# Altium PCB TRACKER.PcbDoc (part 1 of 2)
Units mil, origin at the board's own origin, x right, y up, seen from the top; angles counter-clockwise.
Board outline 4032.95 x 2360 mil, 2 copper layers (Top Layer, Bottom Layer), stack 64.173 mil thick; 101 components, 78 nets, 318 pads, 691 vias.
Unrouted connection lines stored in the file: 12.
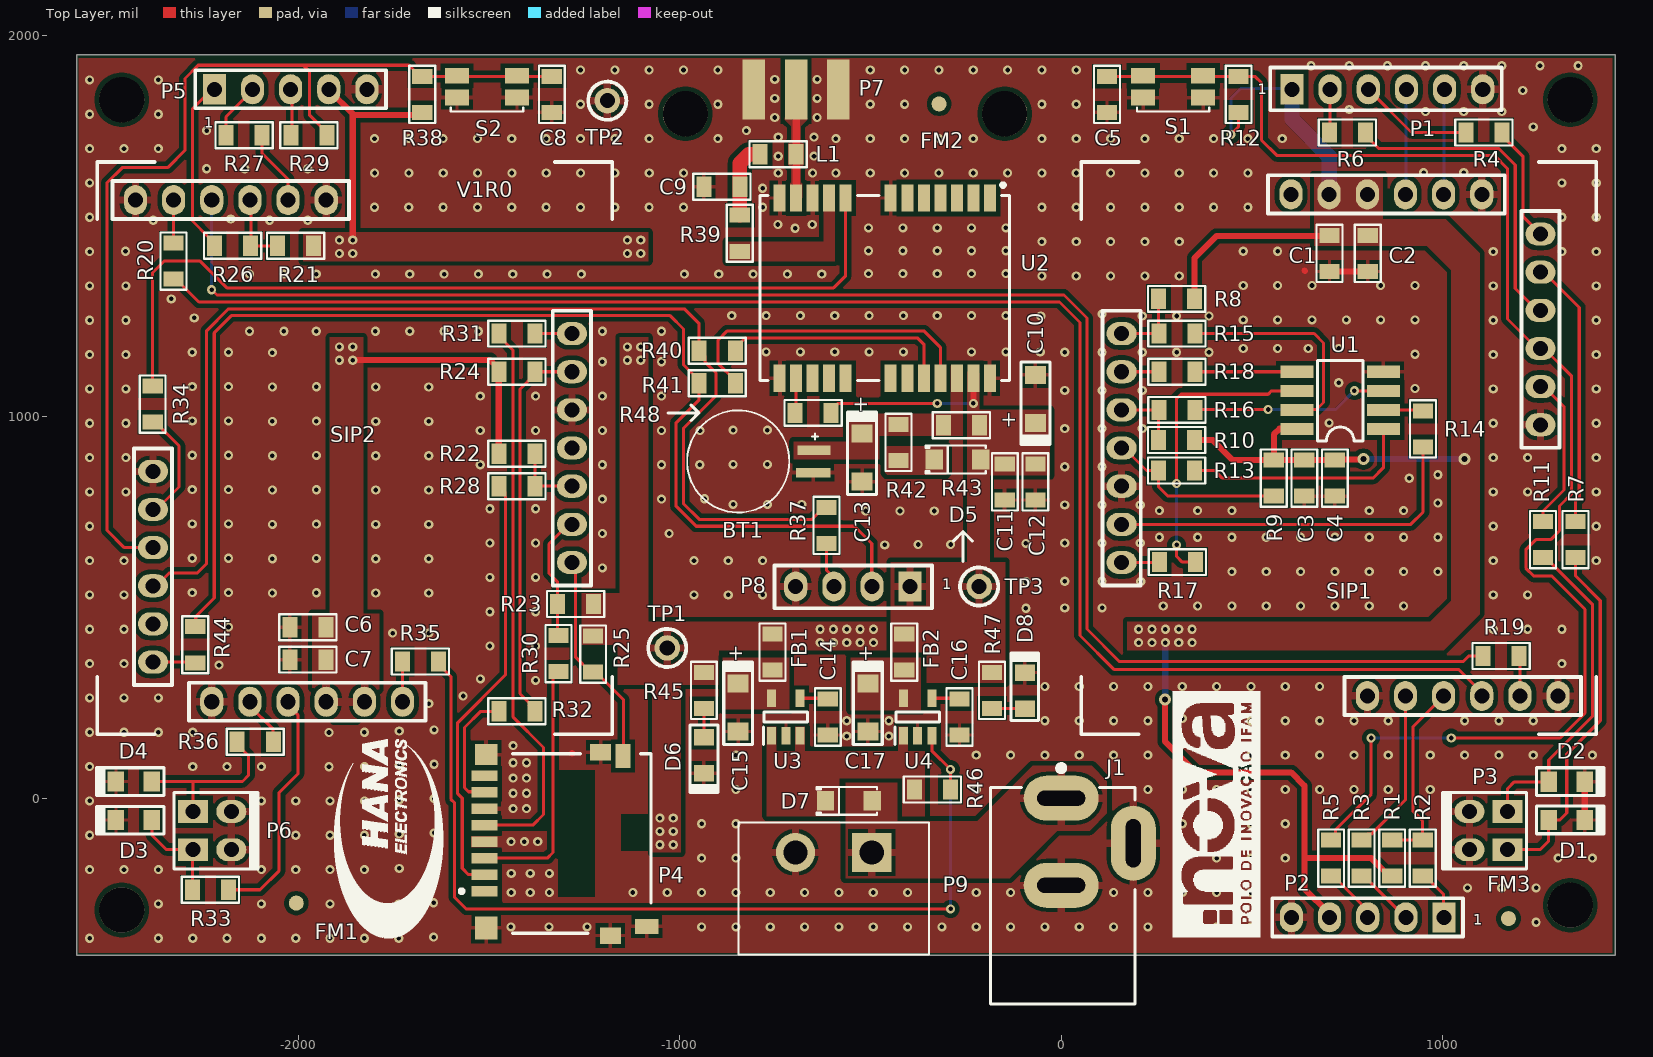
[diagram p0: Top Layer view]
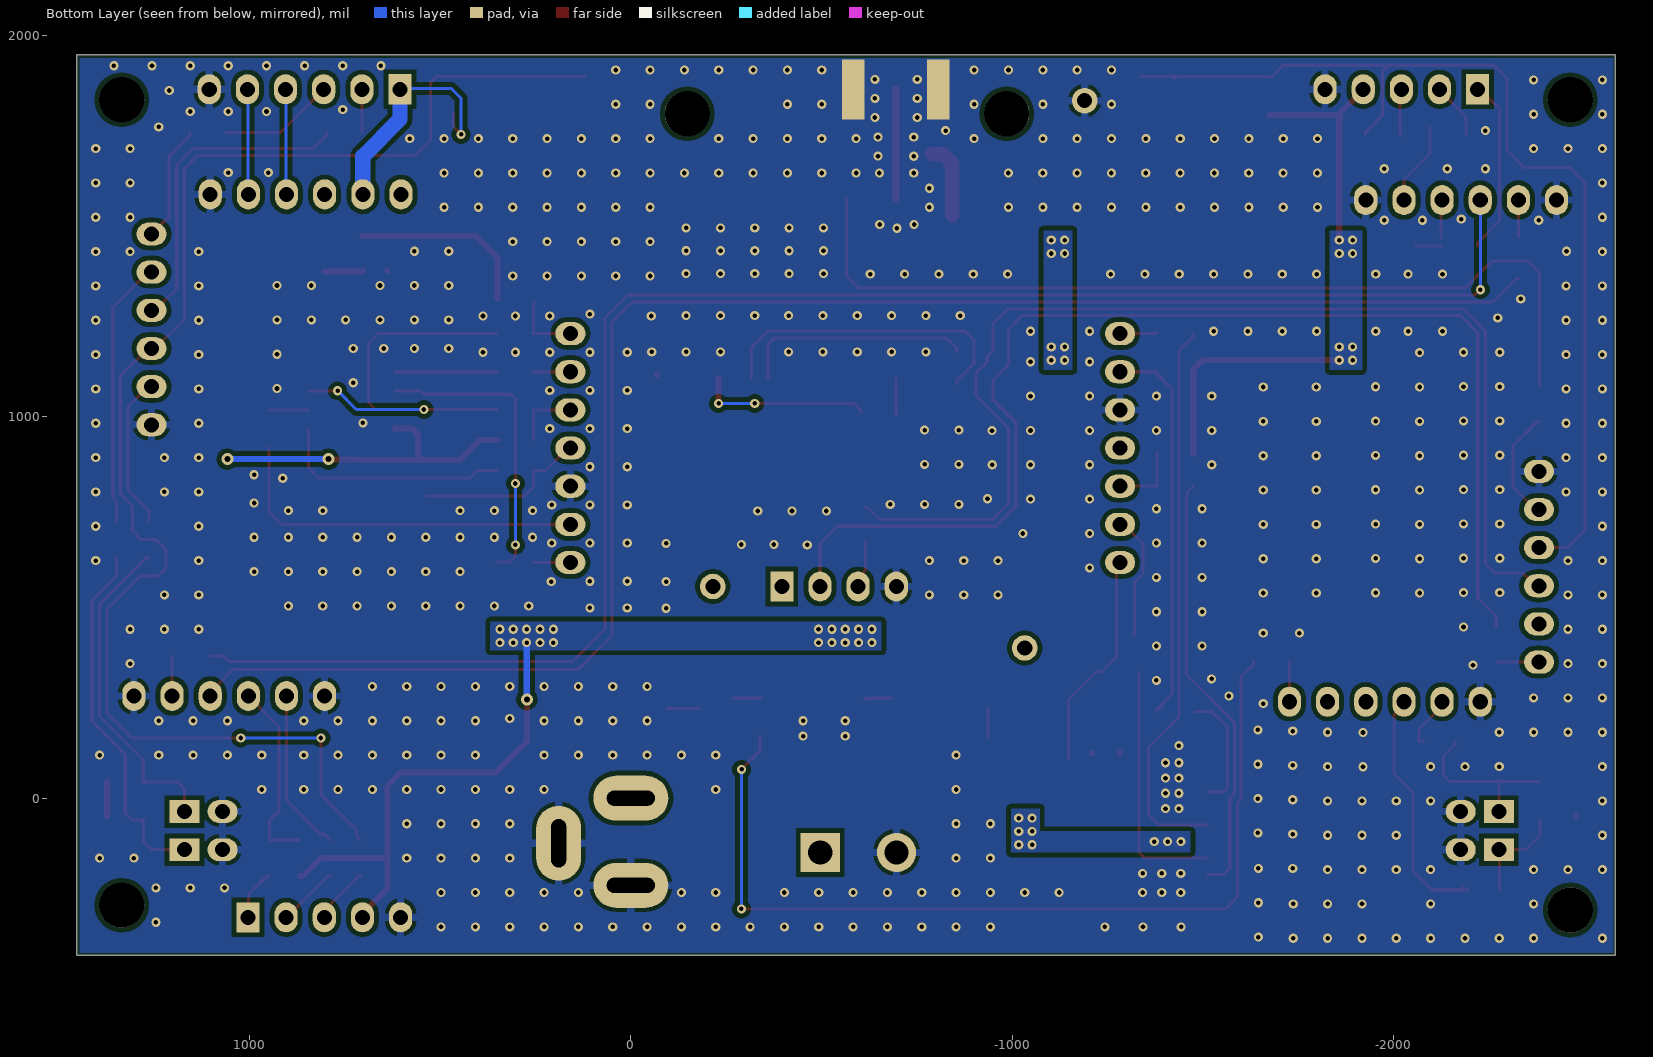
[diagram p1: Bottom Layer view, seen from below]

## Layer stack, top to bottom
Top Solder: solder mask 0.7874, SM-001, Dk 4
Top Layer: signal copper 1.378
Dielectric 1: core 61.4173, Core-043, Dk 4.3
Bottom Layer: signal copper 1.378
Bottom Solder: solder mask 0.7874, SM-001, Dk 4

## Board outline
-2580.54,-411.11 -2580.54,1948.89 -2492.59,1948.89 1452.42,1948.89 1452.42,-411.11

## Design rules (kind name [scope] priority, off if disabled: settings)
Clearance Clearance_1 [InNamedPolygon('GND_L01_P100')] p1: gap=10 ignorepadtopadclearanceinfootprint=FALSE except(0: Arc-Hole Track-Hole SMDPad-Hole THPad-Hole Via-Hole Fill-Hole Poly-Hole Region-Hole Text-Hole; 12: Arc-Fill Arc-Poly Arc-Region Track-Fill Track-Poly Track-Region SMDPad-Fill SMDPad-Poly SMDPad-Region THPad-Fill THPad-Poly THPad-Region Via-Fill Via-Poly Via-Region Fill-Fill Fill-Poly Fill-Region Poly-Poly Poly-Region Region-Region)
Clearance [All] p2: gap=10 ignorepadtopadclearanceinfootprint=FALSE except(0: Arc-Hole Track-Hole SMDPad-Hole THPad-Hole Via-Hole Fill-Hole Poly-Hole Region-Hole Text-Hole; 12: Arc-Fill Arc-Poly Arc-Region Track-Fill Track-Poly Track-Region SMDPad-Fill SMDPad-Poly SMDPad-Region THPad-Fill THPad-Poly THPad-Region Via-Fill Via-Poly Via-Region Fill-Fill Fill-Poly Fill-Region Poly-Poly Poly-Region Region-Region)
HoleSize [All] p1: absolutevalues=TRUE maxlimit=130 minlimit=12 maxpercent=80.000 minpercent=20.000
MinimumSolderMaskSliver [All] p1: minsoldermaskwidth=3
PolygonConnect PolygonConnect_11 [All vs IsNamedPolygon('GPS_RF_IN_L01_P046')] p1: connectstyle=Direct reliefconductorwidth=10 reliefentries=4 polygonreliefangle="90 Angle" airgapwidth=10
PolygonConnect PolygonConnect_10 [All vs IsNamedPolygon('NETD7_1_L01_P072')] p2: connectstyle=Direct reliefconductorwidth=10 reliefentries=4 polygonreliefangle="90 Angle" airgapwidth=10
PolygonConnect PolygonConnect_9 [All vs IsNamedPolygon('NETD7_1_L02_P102')] p3: connectstyle=Direct reliefconductorwidth=10 reliefentries=4 polygonreliefangle="90 Angle" airgapwidth=10
PolygonConnect PolygonConnect_8 [All vs IsNamedPolygon('GND_L01_P101')] p4: thpad.connectstyle=Relief thpad.reliefconductorwidth=20 thpad.reliefentries=4 thpad.polygonreliefangle="90 Angle" thpad.airgapwidth=10 smdpad.connectstyle=Relief smdpad.reliefconductorwidth=10 smdpad.reliefentries=4 smdpad.polygonreliefangle="90 Angle" smdpad.airgapwidth=10 via.connectstyle=Direct via.reliefconductorwidth=10 via.reliefentries=4 via.polygonreliefangle="90 Angle" via.airgapwidth=10
PolygonConnect PolygonConnect_7 [All vs IsNamedPolygon('V_GPS_L01_P062')] p5: thpad.connectstyle=Relief thpad.reliefconductorwidth=20 thpad.reliefentries=4 thpad.polygonreliefangle="90 Angle" thpad.airgapwidth=10 smdpad.connectstyle=Direct smdpad.reliefconductorwidth=10 smdpad.reliefentries=4 smdpad.polygonreliefangle="90 Angle" smdpad.airgapwidth=10 via.connectstyle=Direct via.reliefconductorwidth=10 via.reliefentries=4 via.polygonreliefangle="90 Angle" via.airgapwidth=10
PolygonConnect PolygonConnect_6 [All vs IsNamedPolygon('+3.3V_L01_P073')] p6: connectstyle=Direct reliefconductorwidth=10 reliefentries=4 polygonreliefangle="90 Angle" airgapwidth=10
PolygonConnect PolygonConnect_4 [All vs IsNamedPolygon('+3.3V_L01_P071')] p7: connectstyle=Direct reliefconductorwidth=10 reliefentries=4 polygonreliefangle="90 Angle" airgapwidth=10
PolygonConnect PolygonConnect_3 [All vs IsNamedPolygon('+3.3V_L01_P070')] p8: connectstyle=Direct reliefconductorwidth=10 reliefentries=4 polygonreliefangle="90 Angle" airgapwidth=10
PolygonConnect PolygonConnect_2 [All vs IsNamedPolygon('NETD7_1_L01_P058')] p9: connectstyle=Direct reliefconductorwidth=10 reliefentries=4 polygonreliefangle="90 Angle" airgapwidth=10
PolygonConnect PolygonConnect_1 [All vs IsNamedPolygon('V_GPS_L01_P062')] p10: connectstyle=Direct reliefconductorwidth=10 reliefentries=4 polygonreliefangle="90 Angle" airgapwidth=10
PolygonConnect [All] p11: thpad.connectstyle=Relief thpad.reliefconductorwidth=20 thpad.reliefentries=4 thpad.polygonreliefangle="90 Angle" thpad.airgapwidth=10 smdpad.connectstyle=Direct smdpad.reliefconductorwidth=10 smdpad.reliefentries=4 smdpad.polygonreliefangle="90 Angle" smdpad.airgapwidth=10 via.connectstyle=Direct via.reliefconductorwidth=10 via.reliefentries=4 via.polygonreliefangle="90 Angle" via.airgapwidth=10
RoutingVias [All] p1: holewidth=23.62 width=39.37 viastyle="Through Hole" minholewidth=11.81 minwidth=23.62 maxholewidth=31.5 maxwidth=62.99
SilkToSilkClearance [All] p1: silktosilkclearance=5
SilkToSolderMaskClearance [IsPad] p1: minsilkscreentomaskgap=0 clearancetoexposedcopper=TRUE
SolderMaskExpansion [All] p1: expansion=4 istentingtop=FALSE
Width [InNetClass('RF')] p1: maxlimit=19.99 minlimit=19.99 preferedwidth=19.99 impedanceprofiledriven=TRUE impedanceprofileid={4CF99B5D-AC8D-413A-A790-B9897964A689} impedanceprofilevalue=50.000000 minimp=50.000000 maximp=50.000000 favimp=50.000000
Width Width_1 [All] p2: maxlimit=40 minlimit=8 preferedwidth=16 minimp=50.000000 maximp=50.000000 favimp=50.000000
26 further rules are at their usual default settings.

## Classes and differential pairs
net class RF: GPS_RF_IN
component class SLAVE: BT1 C6 C7 C8 C9 C10 C11 C12 C13 D3 D4 D5 L1 P4 P5 P6 P7 P8 R21 R22 R23 R24 R25 R26 R27 R28 R29 R30 R31 R32 R33 R34 R35 R36 R37 R38 R39 R40 R41 R42 R43 R44 R48 S2 SIP2 U2
component class COMMOM: C14 C15 C16 C17 D6 D7 D8 FB1 FB2 J1 P9 R45 R46 R47 TP1 TP2 TP3 U3 U4
component class MASTER: C1 C2 C3 C4 C5 D1 D2 FM1 FM2 FM3 P1 P2 P3 R1 R2 R3 R4 R5 R6 R7 R8 R9 R10 R11 R12 R13 R14 R15 R16 R17 R18 R19 R20 S1 SIP1 U1

## Components (designator, comment, footprint, x,y, rotation, side; value= is the part's Value field where it differs from the comment)
BT1 "MS621FE-FL11E" BAT_MS621FE-FL11E -846.56,882.86 r0 top locked
C1 "0.1uF" 0805-CAP 703.44,1427.86 r270 top value=100nF
C2 "470pF" 0805-CAP 803.44,1427.86 r270 top
C3 "0.1uF" 0805-CAP 637.42,838.89 r270 top value=100nF
C4 "470pF" 0805-CAP 717.42,838.89 r270 top
C5 "0.1uF" 0805-CAP 120,1845 r270 top value=100nF
C6 "0.1uF" 0805-CAP -1974.82,448.3 r180 top value=100nF
C7 "470pF" 0805-CAP -1974.82,363.3 r180 top
C8 "0.1uF" 0805-CAP -1335,1845 r270 top value=100nF
C9 "0.1uF" 0805-CAP -889.56,1602.86 r0 top value=100nF
C10 "1uF" 1206-CAP-TANT -67.58,1046.88 r90 top
C11 "0.1uF" 0805-CAP -147.58,828.89 r270 top value=100nF
C12 "470pF" 0805-CAP -67.58,828.89 r270 top
C13 "1uF" 1206-CAP-TANT -521.56,892.86 r270 top
C14 "0.1uF" 0805-CAP -611.56,212.86 r270 top value=100nF
C15 "1uF" 1206-CAP-TANT -846.56,237.86 r270 top
C16 "0.1uF" 0805-CAP -266.56,212.86 r270 top value=100nF
C17 "1uF" 1206-CAP-TANT -506.99,237.86 r270 top
D1 "ORANGE" 0805-LED-ORANGE 1325,-57.14 r0 top
D2 "GREEN" 0805-LED-GREEN 1325,42.86 r0 top
D3 "ORANGE" 0805-LED-ORANGE -2430.54,-57.14 r180 top
D4 "GREEN" 0805-LED-GREEN -2430.54,43.89 r180 top
D5 "NRVB120VLSFT1G" SOD-123 -271.56,887.86 r180 top
D6 "RED" 0805-LED-RED -936.56,112.86 r270 top
D7 "NRVB120VLSFT1G" SOD-123 -556.56,-7.14 r180 top
D8 "RED" 0805-LED-RED -95,282.24 r90 top
FB1 "BLM21BB121SN1D" 0805-IND -756.56,382.86 r90 top
FB2 "BLM21BB121SN1D" 0805-IND -411.56,382.86 r90 top
FM1 "FIDUCIAIS - SMD - POINT" "FIDUCIAL  1mm SMD" -2005,-275 r0 top
FM2 "FIDUCIAIS - SMD - POINT" "FIDUCIAL  1mm SMD" -320,1820 r0 top net-tie
FM3 "FIDUCIAIS - SMD - POINT" "FIDUCIAL  1mm SMD" 1172.44,-315.51 r0 top net-tie
J1 "JACK - PJ-002B" "JACK - CUI_PJ-002B" 0,0 r0 top
L1 "27nH" 0805-IND -742.06,1687.86 r0 top locked
P1 "75915-306LF" "HEADER_6P_PVF - 75915-306LF" 605,1858.3 r0 top
P2 "Header 6" _HEADER_5P_PVF 1003.44,-312.14 r180 top
P3 "_HEADER_2X2_PVM_2.54MM" 67997-404HLF 1120,-85 r90 top
P4 "DM3D-SF" DM3DSF -1511.56,59.4 r270 top locked
P5 "Header 6" _HEADER_5P_PVF -2219.82,1858.3 r0 top
P6 "_HEADER_2X2_PVM_2.54MM" 67997-404HLF -2225.34,-85 r270 top
P7 "CON-SMA-EDGE-S" CON-SMA-EDGE-S -694.82,1857.86 r0 top locked
P8 "NEO-5M-MODULE-WITHOUT-PPS" NEO-5M-MODULE-NO-PPS_1 -148.07,1794.17 r180 top locked
P9 "691312510002" 691312510002 -496.56,-142.14 r180 top locked
R1 "100k" 0805-RES 867.44,-157.14 r270 top
R2 "22" 0805-RES 947.44,-157.14 r270 top value=22R
R3 "22" 0805-RES 787.44,-157.14 r270 top value=22R
R4 "22" 0805-RES 1107.76,1745 r180 top value=22R
R5 "22" 0805-RES 707.44,-157.14 r270 top value=22R
R6 "22" 0805-RES 750,1745 r180 top value=22R
R7 "1K" 0805-RES 1348.01,677.86 r270 top value=1kR
R8 "10K" 0805-RES 302.42,1308.89 r0 top value=10kR
R9 "10K" 0805-RES 557.42,838.89 r90 top value=10kR
R10 "10K" 0805-RES 302.42,938.89 r0 top value=10kR
R11 "1K" 0805-RES 1263.01,677.86 r270 top value=1kR
R12 "10K" 0805-RES 465,1845 r270 top value=10kR
R13 "22" 0805-RES 302.42,858.89 r180 top value=22R
R14 "22" 0805-RES 948.44,967.86 r270 top value=22R
R15 "22" 0805-RES 303.44,1217.86 r0 top value=22R
R16 "22" 0805-RES 303.44,1017.86 r180 top value=22R
R17 "22" 0805-RES 304.66,618.89 r0 top value=22R
R18 "22" 0805-RES 303.44,1117.86 r0 top value=22R
R19 "22" 0805-RES 1153.01,372.86 r180 top value=22R
R20 "22" 0805-RES -2326.99,1407.86 r90 top value=22R
R21 "100k" 0805-RES -2006.99,1447.86 r0 top
R22 "10K" 0805-RES -1426.99,902.86 r180 top value=10kR
R23 "10K" 0805-RES -1272.58,508.89 r0 top value=10kR
R24 "10K" 0805-RES -1426.99,1117.86 r180 top value=10kR
R25 "10K" 0805-RES -1226.99,377.86 r90 top value=10kR
R26 "22" 0805-RES -2171.99,1447.86 r180 top value=22R
R27 "22" 0805-RES -2141.99,1737.86 r180 top value=22R
R28 "22" 0805-RES -1426.56,817.86 r0 top value=22R
R29 "22" 0805-RES -1971.99,1737.86 r180 top value=22R
R30 "22" 0805-RES -1317.58,378.89 r90 top value=22R
R31 "22" 0805-RES -1426.56,1217.86 r0 top value=22R
R32 "22" 0805-RES -1426.56,227.86 r0 top value=22R
R33 "1k" 0805-RES -2230,-240 r180 top value=1kR
R34 "22" 0805-RES -2381.56,1032.86 r270 top value=22R
R35 "22" 0805-RES -1679.82,358.3 r180 top value=22R
R36 "1k" 0805-RES -2112.56,147.86 r180 top value=1kR
R37 "22" 0805-RES -615,715 r270 top value=22R
R38 "10K" 0805-RES -1675,1845 r270 top value=10kR
R39 "10R" 0805-RES -842.43,1480.87 r90 top
R40 "22" 0805-RES -901.56,1172.86 r180 top value=22R
R41 "0R" 0805-RES -901.56,1087.86 r0 top
R42 "3.3K" 0805-RES -426.56,932.86 r270 top value=3.3kR
R43 "0R" 0805-RES -261.56,977.86 r180 top
R44 "22" 0805-RES -2270,402.24 r270 top value=22R
R45 "1K" 0805-RES -936.56,282.86 r90 top value=1kR
R46 "0R" 0805-RES -337.56,22.86 r180 top
R47 "1K" 0805-RES -181.56,282.86 r90 top value=1kR
R48 "10K" 0805-RES -650,1010 r0 top value=10kR
S1 "EVQ-P7A01P" EVQP7A 293.44,1865 r180 top
S2 "EVQ-P7A01P" EVQP7A -1505,1865 r180 top
SIP1 "HT BREAKOUTBOARD" "HT BREAKOUTBOARD PINS" 802.44,267.86 r180 top locked
SIP2 "HT BREAKOUTBOARD" "HT BREAKOUTBOARD PINS" -1926.56,1567.86 r0 top locked
TP1 ".Net" TESTPOINT_MINI_RED -1032.58,393.89 r90 top
TP2 ".Net" TESTPOINT_MINI_BLACK -1189.82,1828.3 r90 top
TP3 "5003" TESTPOINT_MINI_ORANGE -215,555 r90 top
U1 "W25Q80DVSNIG" SOIC-8 844.42,967.86 r180 top
U2 "NEO-M9N-00B" NEO-M9N-00B-MFG -738.13,1100.86 r0 top locked
U3 "SPX3819M5-L-3-3_TR" SPX3819M5-L-3-3_TR -721.56,212.86 r90 top
U4 "SPX3819M5-L-3-3_TR" SPX3819M5-L-3-3_TR -376.56,212.86 r90 top

## Footprints (in the part's own frame and the unit in brackets; to place one, negate y for a bottom-side part, rotate by r counter-clockwise, add the part's x,y. Pads: shape width x height; smd on the part's side, far side on the other; paste and mask are expansions set on the pad)
0805-CAP [mm]
  rect 1x1.35 smd paste-0.03 mask+0.07: 1(-1.2,0) 2(1.2,0)
  silkscreen extent -1.91,-0.86 1.91,0.86, body extent -1.25,-0.62 1.25,0.62, height 0.79
0805-IND [mm]
  rect 1x1.35 smd paste-0.03 mask+0.07: 1(-1.2,0) 2(1.2,0)
  silkscreen extent -1.91,-0.86 1.91,0.86, body extent -1,-0.6 1,0.6, height 0.95
0805-LED-GREEN [mm]
  rect 1.1x1.35 smd paste-0.03 mask+0.07: 1(-1.2,0) 2(1.2,0)
  silkscreen extent -2.01,-0.92 2.57,0.94, body extent -1,-0.63 1.02,0.62, height 1.1
0805-LED-ORANGE [mm]
  rect 1.1x1.35 smd paste-0.03 mask+0.07: 1(-1.2,0) 2(1.2,0)
  silkscreen extent -2.01,-0.92 2.57,0.94, body extent -1,-0.62 1.02,0.62, height 1.1
0805-LED-RED [mm]
  rect 1.1x1.35 smd paste-0.03 mask+0.07: 1(-1.2,0) 2(1.2,0)
  silkscreen extent -2.01,-0.91 2.57,0.94, body extent -1,-0.63 1,0.63, height 0.8
0805-RES [mm]
  rect 1x1.35 smd paste-0.03 mask+0.07: 1(-1.2,0) 2(1.2,0)
  silkscreen extent -1.91,-0.86 1.91,0.86, body extent -1.25,-0.62 1.25,0.62, height 0.79
1206-CAP-TANT [mm]
  rect 1.2x1.4 smd paste-0.03 mask+0.07: 1(-1.6,0) 2(1.6,0)
  silkscreen extent -3.02,-0.97 2.46,0.97, body extent -1.6,-0.83 1.6,0.77, height 1.6
67997-404HLF [mm]
  rect 1.524x2 hole 1: 1(-1.27,-1.27) 3(1.27,-1.27)
  oval 1.524x2 hole 1: 2(-1.27,1.27) 4(1.27,1.27)
  silkscreen extent -2.54,-2.54 2.54,3.05, body extent -2.54,-2.54 2.54,2.54, height 8.38
691312510002 [mm] "Pluggable Terminal Blocks WR-TBL 300VAC 20A 2P Right Angle"
  rect 2.6x2.6 hole 1.6: 1(0,0)
  round 2.6 hole 1.6: 2(5.08,0)
  silkscreen extent -3.8,-2 8.88,6.8, body extent -2.54,-2 7.62,10, height 8.51
_HEADER_5P_PVF [mm] "CONN PTH 5POS PITCH 100 MILS VERTICAL FEMALE"
  rect 1.54x2 hole 1: 1(0,0)
  oval 1.54x2 hole 1: 2(2.54,0) 3(5.08,0) 4(7.62,0) 5(10.16,0)
  silkscreen extent -1.27,-1.27 11.43,1.27, body extent -1.23,-1.25 11.39,1.25, height 8.51
BAT_MS621FE-FL11E [mm]
  rect 2.3x0.65 smd: NEG(5,-0.75)
  rect 2.2x0.65 smd: POS(5.05,0.75)
  silkscreen extent -3.4,-3.4 5.3,3.4, body extent -3.4,-3.4 5.9,3.4, height 2.8
CON-SMA-EDGE-S [mm] "Connectores RF / Connectores Coaxiais SMA Female PCB Edge Mount"
  rect 1.5x4 smd: 1(0,0) 2(-2.825,0) 3(2.82,0)
  rect 1.5x4 smd far side: 4(-2.825,0) 5(2.825,0)
  body extent -3.17,-1.7 3.17,11.63, height 3.56
DM3DSF [mm]
  rect 0.7x1.75 smd: 1(7.7,0) 2(6.6,0) 3(5.5,0) 4(4.4,0) 5(3.3,0) 6(2.2,0) 7(1.1,0) 8(0,0)
  rect 1.6x1 smd: 9(-1.3,9.225)
  rect 1x1.55 smd: 10(10.05,10.8)
  rect 1.5x1.5 smd: MP1(10.15,0.125)
  rect 1.4x1.5 smd: MP2(-1.4,0.125)
  rect 1.1x1.4 smd: MP3(10.65,8.375) MP4(-1.55,7.725)
  Top Layer pour cut-out: 2.55,9.075 5.05,9.075 5.05,11.075 2.55,11.075
  Top Layer pour cut-out: -0.4,4.875 8.1,4.875 8.1,7.375 -0.4,7.375
  silkscreen extent -1.45,-1.65 10.5,11.07, body extent -1.45,-0.38 10.5,11.07, height 1.55
EVQP7A [mm]
  rect 1.6x1.05 smd paste-0.03 mask+0.07: 1(-2,0.725) 2(2,0.725) 3(-2,-0.725) 4(2,-0.725)
  silkscreen extent -2.41,1.41 2.41,1.65, body extent -2.35,-2.11 2.35,1.58, height 1.35
"FIDUCIAL  1mm SMD" [mm]
  round 1 smd paste-1 mask+1: 1(0,0)
"HEADER_6P_PVF - 75915-306LF" [mm] "Board to Board & Mezzanine Connectors 6P VRT SR RECEPT .76 GOLD"
  rect 1.54x2 hole 1: 1(0,0)
  oval 1.54x2 hole 1: 2(2.54,0) 3(5.08,0) 4(7.62,0) 5(10.16,0) 6(12.7,0)
  silkscreen extent -1.45,-1.4 13.97,1.45, body extent -1.4,-1.25 14.1,1.25, height 8.5
"HT BREAKOUTBOARD PINS" [mm]
  oval 1.54x2 hole 1: 1(0,0) 2(-2.54,0) 3(-5.08,0) 4(-7.62,0) 5(-10.16,0) 6(-12.7,0) 13(-7.62,-33.401) 14(-5.08,-33.401) 15(-2.54,-33.401) 16(0,-33.401) 17(2.54,-33.401) 18(5.08,-33.401)
  oval 2x1.54 hole 1: 7(-11.532,-18.059) 8(-11.532,-20.599) 9(-11.532,-23.139) 10(-11.532,-25.679) 11(-11.532,-28.219) 12(-11.532,-30.759) 19(16.358,-24.13) 20(16.358,-21.59) 21(16.358,-19.05) 22(16.358,-16.51) 23(16.358,-13.97) 24(16.358,-11.43) 25(16.358,-8.89)
  silkscreen extent -15.24,-35.56 19.05,2.54, body extent -14.19,-34.66 17.63,1.28, height 8.5
"JACK - CUI_PJ-002B" [mm]
  oval 5x3 hole 1 slot 3.2 at 0 deg: 1(0,0) 2(0,-5.8)
  oval 3x5 hole 1 slot 3.2 at 90 deg: 3(4.8,-3)
  silkscreen extent -4.7,-13.7 4.9,2.2, body extent -4.45,-13.64 4.95,0.76, height 11.1
NEO-5M-MODULE-NO-PPS_1 [mm] "GPS NEM 5M MODUE WITHOUT PPS SIGNAL"
  rect 1.54x2 hole 1: 1(6.295,31.478)
  oval 1.54x2 hole 1: 2(8.835,31.478) 3(11.375,31.478) 4(13.915,31.478)
  round 3 hole 3 unplated: ""(0,0) ""(21.26,0)
  silkscreen extent 4.85,30.08 15.34,32.93, body extent 4.9,30.23 15.31,32.73, height 8.5
NEO-M9N-00B-MFG [mm]
  rect 0.8x1.8 smd paste-1000 mask-1000: 1(14,12) 2(12.9,12) 3(11.8,12) 4(10.7,12) 5(9.6,12) 6(8.5,12) 7(7.4,12) 8(4.4,12) 9(3.3,12) 10(2.2,12) 11(1.1,12) 12(0,12) 13(0,0) 14(1.1,0) 15(2.2,0) 16(3.3,0) 17(4.4,0) 18(7.4,0) 19(8.5,0) 20(9.6,0) 21(10.7,0) 22(11.8,0) 23(12.9,0) 24(14,0)
  silkscreen extent -1.3,-0.15 15.3,12.98, body extent -1.4,-1.4 15.4,13.4, height 0.25
SOD-123 [mm]
  rect 1.15x1.3 smd: 1(-1.55,0) 2(1.55,0)
  silkscreen extent -1.88,-0.93 2.13,0.93, body extent -1.83,-0.88 1.82,0.87, height 1.05
SOIC-8 [mm]
  rect 2.2x0.8 smd paste-0.03 mask+0.07: 1(0,0) 2(0,-1.27) 3(0,-2.54) 4(0,-3.81) 5(5.74,-3.81) 6(5.74,-2.54) 7(5.74,-1.27) 8(5.74,0)
  silkscreen extent 1.35,-4.57 4.39,0.79, body extent -0.13,-4.35 5.87,0.55, height 1.7
SPX3819M5-L-3-3_TR [mm]
  rect 1.15x0.6 smd: 1(-1.25,0.95) 2(-1.25,0) 3(-1.25,-0.95) 4(1.25,-0.95) 5(1.25,0.95)
  silkscreen extent -1.83,-1.45 0.33,1.5, body extent -1.4,-1.45 1.4,1.45, height 1.45
TESTPOINT_MINI_BLACK [mm]
  round 1.7 hole 1: 1(0,0)
  silkscreen extent -1.27,-1.27 1.27,1.27, body extent -1.27,-1.27 1.27,1.27, height 4.57
TESTPOINT_MINI_ORANGE [mm]
  round 1.7 hole 1: 1(0,0)
  silkscreen extent -1.27,-1.27 1.27,1.27, body extent -1.27,-1.27 1.27,1.27, height 4.57
TESTPOINT_MINI_RED [mm]
  round 1.7 hole 1: 1(0,0)
  silkscreen extent -1.27,-1.27 1.27,1.27, body extent -1.27,-1.27 1.27,1.27, height 4.57

## Part data
BT1: "MS621FE-FL11E Coin Cell, Lithium, 5.5MAH, 3V Rechargeable Rohs", Capacity=5.5mAh, Manufacturer=Seiko, Max Operating Temperature=60°C, Min Operating Temperature=-20°C, Output Voltage=3V, Package Quantity=100, Supplier Part Number 1=628-MS621FE-FL11E, Battery Chemistry=LITHIUM, Battery Size=621, Battery Type=SECONDARY, Category="Batteries and Accessories", Chemistry/Technology=Lithium, ComponentLink1Description=http://www.onlinecomponents.com/productFiles/mf-SIB/file_product_master_50112_title_imagesp.pdf?src-supplier=Onlinecomponents.com, ComponentLink1URL=http://www.onlinecomponents.com/productFiles/mf-SIB/file_product_master_50112_title_imagesp.pdf?src-supplier=Onlinecomponents.com, ComponentLink2Description=http://www.farnell.com/datasheets/2700315.pdf?src-supplier=Farnell, ComponentLink2URL=http://www.farnell.com/datasheets/2700315.pdf?src-supplier=Farnell, ComponentLink3Description=http://www.farnell.com/datasheets/2700315.pdf?src-supplier=Element14, ComponentLink3URL=http://www.farnell.com/datasheets/2700315.pdf?src-supplier=Element14, ComponentLink4Description=http://www.onlinecomponents.com/datasheet/ms621fefl11e.aspx?p=12337810&src-supplier=Onlinecomponents.com, ComponentLink4URL=http://www.onlinecomponents.com/datasheet/ms621fefl11e.aspx?p=12337810&src-supplier=Onlinecomponents.com, ComponentLink5Description=http://www.sii.co.jp/en/me/datasheets/ms-rechargeable/ms621fe/?src-supplier=Mouser, ComponentLink5URL=http://www.sii.co.jp/en/me/datasheets/ms-rechargeable/ms621fe/?src-supplier=Mouser, ComponentLink6Description=https://www.sii.co.jp/en/me/files/2018/04/MicroBattery_catalogue_E_2018_forWeb.pdf?src-supplier=Digi-Key, ComponentLink6URL=https://www.sii.co.jp/en/me/files/2018/04/MicroBattery_catalogue_E_2018_forWeb.pdf?src-supplier=Digi-Key, ComponentLink7Description=http://speed.sii.co.jp/data/file_PRODUCT_MASTER_50112_TITLE_IMAGESP.pdf?src-supplier=Avnet, ComponentLink7URL=http://speed.sii.co.jp/data/file_PRODUCT_MASTER_50112_TITLE_IMAGESP.pdf?src-supplier=Avnet, ComponentLink8Description=https://datasheet.octopart.com/MS621FE-FL11E-Seiko-datasheet-154792866.pdf?src-supplier=Master+Electronics, ComponentLink8URL=https://datasheet.octopart.com/MS621FE-FL11E-Seiko-datasheet-154792866.pdf?src-supplier=Master+Electronics, Diameter=6.8mm, Height=2.1mm, Lead Length=1.7mm, Manufacturer Part Number=MS621FE-FL11E, Number of Cells=1, Orientation=Vertical, Outside Diameter=6.8mm, Packaging=Tray, Pins=2, Pricing 1="1=2,19, 10=1,82, 50=1,6, 100=1,43, 1000=1,18, 10000=1,1 (USD)", Radiation Hardening=No, Reach SVHC Compliant=Yes, RoHS=Yes, Series=MS621FE, Stock 1=1781, Supplier 1=Mouser, Termination=SMD/SMT, Voltage=3V, Voltage Rating=3V, Weight=0.23g, Width=6.8mm
C1 C3 C5 C6 C8 C9 C11 C14 C16: library part AC0805KRX7R7BB104, "CAP CER SMD 0805, 0.1uF / 16V, ±10%", Case Code (Imperial)=0805, Case Code (Metric)=2012, Manufacturer=Yageo, Max Operating Temperature=125°C, Min Operating Temperature=-55°C, Ratings=AEC-Q200, Supplier Part Number 1=603-AC805KRX7R7BB104, Tolerance=10%, Voltage Rating=16V, Case/Package=0805, Category="Ceramic Capacitors", ComponentLink1Description=http://www.yageo.com/NewPortal/_en/search/productDocs.jsp?YageoPartNumber=AC0805KRX7R7BB104&src-supplier=Digi-Key, ComponentLink1URL=http://www.yageo.com/NewPortal/_en/search/productDocs.jsp?YageoPartNumber=AC0805KRX7R7BB104&src-supplier=Digi-Key, Manufacturer Part Number=AC0805KRX7R7BB104, Mounting Technology="Surface Mount", Packaging="Cut Tape", Pricing 1="1=0,19, 10=0,079, 50=0,079, 100=0,046, 1000=0,041, 10000=0,028 (USD)", RoHS=Yes, RoHS Compliant=Yes, Series=AC, Stock 1=118257, Supplier 1=Mouser
  C1 C3 C5 C6 C8 C9 C11: Supplier 2=Digi-Key, Supplier 3=Digi-Key, Supplier Part Number 2=311-3162-1-ND, Supplier Part Number 3=311-3162-6-ND
C2 C4 C7 C12: library part 885012007086, "CAP CER SMD 0805, 470pF / 100V, ±5% C0G/NP0", Case Code (Imperial)=0805, Case Code (Metric)=2012, Manufacturer="Wurth Electronics", Max Operating Temperature=125°C, Min Operating Temperature=-55°C, Supplier Part Number 1=710-885012007086, Tolerance=5%, Voltage Rating=100V, Case/Package=0805, Category="Ceramic Capacitors", ComponentLink1Description=https://katalog.we-online.de/pbs/datasheet/885012007086.pdf?src-supplier=Digi-Key, ComponentLink1URL=https://katalog.we-online.de/pbs/datasheet/885012007086.pdf?src-supplier=Digi-Key, ComponentLink6Description=https://katalog.we-online.de/pbs/datasheet/885012007086.pdf?src-supplier=Digi-Key, ComponentLink6URL=https://katalog.we-online.de/pbs/datasheet/885012007086.pdf?src-supplier=Digi-Key, Manufacturer Part Number=885012007086, Mounting Technology="Surface Mount", Packaging="Cut Tape", Pricing 1="1=0,1, 10=0,08, 50=0,08, 100=0,072, 1000=0,064, 10000=0,054 (USD)", RoHS=No, Series=WCAP-CSGP, Stock 1=9461, Supplier 1=Mouser, Supplier 2=Digi-Key, Supplier 3=Digi-Key, Supplier Part Number 2=732-12213-1-ND, Supplier Part Number 3=732-12213-6-ND
C10 C13 C15 C17: library part TAJA105K020RNJ, "CAP TANT SMD 1206, 1uF / 20V, ±10%", Case Code (Imperial)=1206, Case Code (Metric)=3216, Dielectric Material=Tantalum, ESR (Equivalent Series Resistance)=9R, Leakage Current=500nA, Manufacturer="Kyocera AVX", Max Operating Temperature=125°C, Min Operating Temperature=-55°C, Package Quantity=1, Supplier Part Number 1=581-TAJA105K020, Tolerance=20%, Voltage=20V, Capacitance=1uF, Case/Package=1206, Category="Tantalum Capacitors", ComponentLink1Description=https://datasheet.ciiva.com/11794/0900766b80ccdc61-11794382.pdf?src-supplier=RSComponents, ComponentLink1URL=https://datasheet.ciiva.com/11794/0900766b80ccdc61-11794382.pdf?src-supplier=RSComponents, ComponentLink2Description=https://datasheet.ciiva.com/12883/taj-27497-12883280.pdf?src-supplier=Mouser, ComponentLink2URL=https://datasheet.ciiva.com/12883/taj-27497-12883280.pdf?src-supplier=Mouser, ComponentLink3Description=https://datasheet.ciiva.com/263/taj-263413.pdf?src-supplier=Digi-Key, ComponentLink3URL=https://datasheet.ciiva.com/263/taj-263413.pdf?src-supplier=Digi-Key, ComponentLink4Description=https://datasheet.ciiva.com/263/taj-263412.pdf?src-supplier=Digi-Key, ComponentLink4URL=https://datasheet.ciiva.com/263/taj-263412.pdf?src-supplier=Digi-Key, ComponentLink5Description=https://datasheet.ciiva.com/263/taj-263414.pdf?src-supplier=Digi-Key, ComponentLink5URL=https://datasheet.ciiva.com/263/taj-263414.pdf?src-supplier=Digi-Key, ComponentLink6Description=https://datasheet.ciiva.com/14608/70001050-14608053.pdf?src-supplier=Allied+Electronics, ComponentLink6URL=https://datasheet.ciiva.com/14608/70001050-14608053.pdf?src-supplier=Allied+Electronics, ComponentLink7Description=https://datasheet.ciiva.com/14598/70001050-14598921.pdf?src-supplier=Allied+Electronics, ComponentLink7URL=https://datasheet.ciiva.com/14598/70001050-14598921.pdf?src-supplier=Allied+Electronics, ComponentLink8Description=https://datasheet.ciiva.com/3004/taj-3004373.pdf?src-supplier=Avnet, ComponentLink8URL=https://datasheet.ciiva.com/3004/taj-3004373.pdf?src-supplier=Avnet, ComponentLink9Description=https://datasheet.ciiva.com/16203/taj-16203563.pdf?src-supplier=Future+Electronics, ComponentLink9URL=https://datasheet.ciiva.com/16203/taj-16203563.pdf?src-supplier=Future+Electronics, ComponentLink10Description=https://datasheet.ciiva.com/3004/taj-3004372.pdf?src-supplier=Avnet, ComponentLink10URL=https://datasheet.ciiva.com/3004/taj-3004372.pdf?src-supplier=Avnet, Construction=Flat, Depth=1.6mm, Dissipation Factor=4%, Features="General Purpose", Height=1.6mm, Height - Seated (Max)=0.071inch, Lead Free="Lead Free", Length=3.2mm, Manufacturer Part Number=TAJA105K020RNJ, Mount="Surface Mount,PCB", Number of Pins=2, Packaging="Tape and Reel", Polarity=Polar, Pricing 1="2000=0,09520 (USD)", Radiation Hardening=No, REACH SVHC="No SVHC", RoHS=Yes, RoHS Compliant=Yes, Series=TAJ, Stock 1=2000, Supplier 1=Mouser, Supplier 2=Digi-Key, Supplier 3=Digi-Key, Supplier Part Number 2=478-1650-1-ND, Supplier Part Number 3=478-1650-6-ND, Termination=SMD/SMT, Voltage Rating=20V, Voltage Rating (DC)=20V, Width=1.6mm
D1 D3: library part LTST-C170AKT, "LED ORANGE, SMD 0805, 2.1V/30mA", Case Code (Imperial)=0805, Case Code (Metric)=2012, Color=Orange, Forward Current=30mA, Forward Voltage=2.1V, Lens Color=Colorless, Manufacturer="Vishay Lite-On", Max Operating Temperature=85°C, Max Power Dissipation=100mW, Min Operating Temperature=-55°C, Package Quantity=1, Reverse Voltage=5V, Supplier Part Number 1=859-LTST-C170AKT, Test Current=10mA, Case/Package=0805, Category=LEDs, ComponentLink1Description=https://datasheet.ciiva.com/11773/0900766b80dc0275-11773962.pdf?src-supplier=Rs, ComponentLink1URL=https://datasheet.ciiva.com/11773/0900766b80dc0275-11773962.pdf?src-supplier=Rs, ComponentLink2Description=https://datasheet.ciiva.com/16388/lite-on20ltst-c170akt-16388570.pdf?src-supplier=Future+Electronics, ComponentLink2URL=https://datasheet.ciiva.com/16388/lite-on20ltst-c170akt-16388570.pdf?src-supplier=Future+Electronics, ComponentLink3Description=https://datasheet.ciiva.com/19466/1996129-19466129.pdf?src-supplier=Jameco, ComponentLink3URL=https://datasheet.ciiva.com/19466/1996129-19466129.pdf?src-supplier=Jameco, ComponentLink4Description=https://datasheet.ciiva.com/12400/lite-on-ltst-c170akt-187687-12400757.pdf?src-supplier=Mouser, ComponentLink4URL=https://datasheet.ciiva.com/12400/lite-on-ltst-c170akt-187687-12400757.pdf?src-supplier=Mouser, ComponentLink5Description=https://datasheet.ciiva.com/2110/ltst-c170akt-2110108.pdf?src-supplier=Digi-Key, ComponentLink5URL=https://datasheet.ciiva.com/2110/ltst-c170akt-2110108.pdf?src-supplier=Digi-Key, ComponentLink6Description=https://datasheet.ciiva.com/15117/getdatasheetpartid-147503-15117857.pdf?src-supplier=Verical, ComponentLink6URL=https://datasheet.ciiva.com/15117/getdatasheetpartid-147503-15117857.pdf?src-supplier=Verical, ComponentLink7Description=https://datasheet.ciiva.com/2110/ltst-c170akt-2110109.pdf?src-supplier=Digi-Key, ComponentLink7URL=https://datasheet.ciiva.com/2110/ltst-c170akt-2110109.pdf?src-supplier=Digi-Key, ComponentLink8Description=https://datasheet.ciiva.com/2110/ltst-c170akt-2110110.pdf?src-supplier=Digi-Key, ComponentLink8URL=https://datasheet.ciiva.com/2110/ltst-c170akt-2110110.pdf?src-supplier=Digi-Key, Depth=1.25mm, Dominant Wavelength=602nm, Height=1.1mm, Illumination Color=Orange, Lead Free="Lead Free", Length=2mm, Lens Style=Diffused,Colorless,Rectangular,Clear, Lens Transparency=Clear, Luminous Intensity=2mcd, Manufacturer Part Number=LTST-C170AKT, Mounting Technology="Surface Mount", Number of Elements=1, Number of LEDs=1, Packaging="Tape and Reel", Pins=2, Power Dissipation=100mW, Pricing 1="1=0,2162, 10=0,1414, 25=0,1404, 100=0,0749, 250=0,0738, 500=0,0682, 1000=0,0546 (USD)", Radiation Hardening=No, RoHS=Yes, RoHS Compliant=Yes, Series="CHIPLED 0805", Stock 1=1201, Supplier 1=Mouser, Supplier 2=Digi-Key, Supplier 3=Digi-Key, Supplier Part Number 2=160-1177-1-ND, Supplier Part Number 3=160-1177-6-ND, Viewing Angle=130°, Wavelength=610nm, Width=1.25mm
D2 D4: library part LTST-C170GKT, "LED GREEN, SMD 0805, 2.1V/30mA", Case Code (Imperial)=0805, Case Code (Metric)=2012, Color=Green, Forward Current=30mA, Forward Voltage=2.1V, Lens Color=Colorless, Manufacturer="Vishay Lite-On", Max Operating Temperature=85°C, Min Operating Temperature=-55°C, Package Quantity=3000, Power Dissipation=100mW, Reverse Voltage=5V, Supplier Part Number 1=859-LTST-C170GKT, Test Current=10mA, Case/Package=0805, Category=LEDs, ComponentLink1Description=https://datasheet.ciiva.com/11773/0900766b80dc0278-11773630.pdf?src-supplier=Rs, ComponentLink1URL=https://datasheet.ciiva.com/11773/0900766b80dc0278-11773630.pdf?src-supplier=Rs, ComponentLink2Description=https://datasheet.ciiva.com/25772/ltst-c170gkt-25772881.pdf?src-supplier=Allied+Electronics, ComponentLink2URL=https://datasheet.ciiva.com/25772/ltst-c170gkt-25772881.pdf?src-supplier=Allied+Electronics, ComponentLink3Description=https://datasheet.ciiva.com/2110/ltst-c170gkt-2110128.pdf?src-supplier=Digi-Key, ComponentLink3URL=https://datasheet.ciiva.com/2110/ltst-c170gkt-2110128.pdf?src-supplier=Digi-Key, ComponentLink4Description=https://datasheet.ciiva.com/12400/lite-on-ltst-c170gkt-187191-12400783.pdf?src-supplier=Mouser, ComponentLink4URL=https://datasheet.ciiva.com/12400/lite-on-ltst-c170gkt-187191-12400783.pdf?src-supplier=Mouser, ComponentLink5Description=https://datasheet.ciiva.com/15117/getdatasheetpartid-142079-15117738.pdf?src-supplier=Verical, ComponentLink5URL=https://datasheet.ciiva.com/15117/getdatasheetpartid-142079-15117738.pdf?src-supplier=Verical, ComponentLink6Description=https://datasheet.ciiva.com/16387/ltst-c170gkt-16387357.pdf?src-supplier=Future+Electronics, ComponentLink6URL=https://datasheet.ciiva.com/16387/ltst-c170gkt-16387357.pdf?src-supplier=Future+Electronics, Depth=1.25mm, Dominant Wavelength=569nm, Height=1.1mm, Illumination Color=Green, Lead Free="Lead Free", Length=2mm, Lens Size=1.25mm, Lens Style=Flat,Diffused,Colorless,Rectangular, Lens Transparency=Clear, Luminous Intensity=6mcd, Manufacturer Part Number=LTST-C170GKT, Mounting Technology="Surface Mount", Number of Elements=1, Number of LEDs=1, Packaging="Tape and Reel", Pins=2, Power Rating=100mW, Pricing 1="250=0,062, 500=0,055, 1250=0,043, 2500=0,041 (GBP)", Radiation Hardening=No, RoHS=Yes, RoHS Compliant=Yes, Series=-, Stock 1=34600, Supplier 1=Mouser, Supplier 2=Digi-Key, Supplier 3=Digi-Key, Supplier Part Number 2=160-1179-1-ND, Supplier Part Number 3=160-1179-6-ND, Viewing Angle=130°, Voltage=5V, Wavelength=565nm, Width=1.25mm
D5 D7: "DIODE SHOTTKY SMD SOD-123F, 0,3V/1A, VBR 20V", Average Rectified Current=1A, Case/Package=SOD, Manufacturer="ON Semiconductor", Max Operating Temperature=125°C, Max Repetitive Reverse Voltage (Vrrm)=20V, Max Reverse Current=15mA, Min Operating Temperature=-65°C, Peak Non-Repetitive Surge Current=45A, Supplier Part Number 1=863-NRVB120VLSFT1G, Category="Schottky Diodes", ComponentLink1Description=http://www.farnell.com/datasheets/2028665.pdf?src-supplier=Farnell, ComponentLink1URL=http://www.farnell.com/datasheets/2028665.pdf?src-supplier=Farnell, ComponentLink2Description=http://www.mouser.com/ds/2/308/MBR120VLSFT1-D-1074021.pdf?src-supplier=Mouser, ComponentLink2URL=http://www.mouser.com/ds/2/308/MBR120VLSFT1-D-1074021.pdf?src-supplier=Mouser, ComponentLink3Description=http://www.onsemi.com/pub/Collateral/MBR120VLSFT1-D.PDF?src-supplier=Digi-Key, ComponentLink3URL=http://www.onsemi.com/pub/Collateral/MBR120VLSFT1-D.PDF?src-supplier=Digi-Key, ComponentLink4Description=http://www.onsemi.com/pub/Collateral/MBR120VLSFT1-D.PDF?src-supplier=Avnet, ComponentLink4URL=http://www.onsemi.com/pub/Collateral/MBR120VLSFT1-D.PDF?src-supplier=Avnet, ComponentLink5Description=http://www.farnell.com/datasheets/2028665.pdf?src-supplier=Element14, ComponentLink5URL=http://www.farnell.com/datasheets/2028665.pdf?src-supplier=Element14, ComponentLink6Description=http://www.farnell.com/datasheets/2028665.pdf?src-supplier=Newark, ComponentLink6URL=http://www.farnell.com/datasheets/2028665.pdf?src-supplier=Newark, Element Configuration=Single, Lead Free="Lead Free", Manufacturer Part Number=NRVB120VLSFT1G, Max Reverse Voltage (DC)=20V, Mount="Surface Mount", Number of Pins=2, Packaging="Tape and Reel", Pricing 1="1=0,51000, 5=0,51000, 10=0,43400, 25=0,39700, 50=0,36100, 100=0,32400, 250=0,28900, 500=0,25400, 1000=0,19700 (USD)", RoHS=Yes, RoHS Compliant=Yes, Stock 1=170, Supplier 1=Mouser, Supplier 2=Digi-Key, Supplier 3=Digi-Key, Supplier Part Number 2=NRVB120VLSFT1GOSCT-ND, Supplier Part Number 3=NRVB120VLSFT1GOSDKR-ND
D6 D8: library part LTST-C170EKT, "LED RED, SMD 0805, 2V/30mA", Case Code (Imperial)=0805, Case Code (Metric)=2012, Color=Red, Forward Current=30mA, Forward Voltage=2V, Lens Color=Colorless, Manufacturer="Vishay Lite-On", Max Operating Temperature=85°C, Min Operating Temperature=-55°C, Package Quantity=3000, Power Dissipation=100mW, Reverse Voltage=5V, Supplier Part Number 1=859-LTST-C170EKT, Test Current=10mA, Case/Package=0805, Category=LEDs, ComponentLink1Description=https://datasheet.ciiva.com/16202/lite-on20ltst-c170ekt-16202383.pdf?src-supplier=Future+Electronics, ComponentLink1URL=https://datasheet.ciiva.com/16202/lite-on20ltst-c170ekt-16202383.pdf?src-supplier=Future+Electronics, ComponentLink2Description=https://datasheet.ciiva.com/2110/ltst-c170ekt-2110099.pdf?src-supplier=Digi-Key, ComponentLink2URL=https://datasheet.ciiva.com/2110/ltst-c170ekt-2110099.pdf?src-supplier=Digi-Key, ComponentLink3Description=https://datasheet.ciiva.com/11775/0900766b80dc0277-11775641.pdf?src-supplier=Rs, ComponentLink3URL=https://datasheet.ciiva.com/11775/0900766b80dc0277-11775641.pdf?src-supplier=Rs, ComponentLink4Description=https://datasheet.ciiva.com/19482/1260314-19482330.pdf?src-supplier=Jameco, ComponentLink4URL=https://datasheet.ciiva.com/19482/1260314-19482330.pdf?src-supplier=Jameco, ComponentLink5Description=https://datasheet.ciiva.com/15117/getdatasheetpartid-147507-15117859.pdf?src-supplier=Verical, ComponentLink5URL=https://datasheet.ciiva.com/15117/getdatasheetpartid-147507-15117859.pdf?src-supplier=Verical, ComponentLink6Description=https://datasheet.ciiva.com/2110/ltst-c170ekt-2110100.pdf?src-supplier=Digi-Key, ComponentLink6URL=https://datasheet.ciiva.com/2110/ltst-c170ekt-2110100.pdf?src-supplier=Digi-Key, ComponentLink7Description=https://datasheet.ciiva.com/2110/ltst-c170ekt-2110101.pdf?src-supplier=Digi-Key, ComponentLink7URL=https://datasheet.ciiva.com/2110/ltst-c170ekt-2110101.pdf?src-supplier=Digi-Key, Depth=1.25mm, Dominant Wavelength=621nm, Height=1.1mm, Illumination Color=Red, Lead Free="Lead Free", Length=2mm, Lens Size=1.25mm, Lens Style=Flat,Diffused,Colorless,Rectangular,Clear, Lens Transparency=Clear, Luminous Intensity=2mcd, Manufacturer Part Number=LTST-C170EKT, Mounting Technology="Surface Mount", Number of Elements=1, Number of LEDs=1, Packaging="Tape and Reel", Pins=2, Power Rating=100mW, Pricing 1="3000=0,0571, 6000=0,0465, 15000=0,0404, 30000=0,035, 75000=0,0347, 150000=0,0331 (USD)", Radiation Hardening=No, RoHS=Yes, RoHS Compliant=Yes, Series=-, Stock 1=36000, Supplier 1=Mouser, Supplier 2=Digi-Key, Supplier 3=Digi-Key, Supplier Part Number 2=160-1178-1-ND, Supplier Part Number 3=160-1178-6-ND, Viewing Angle=130°, Voltage=5V, Wavelength=630nm, Width=1.25mm